# Altium PCB iWatch-v2.0.PcbDoc
Units mm, origin at the board's own origin, x right, y up, seen from the top; angles counter-clockwise.
Board outline 34.2 x 25.5 mm, 4 copper layers (Top Layer, Gound Layer, Power Layer, Bottom Layer), stack 0.78 mm thick; 59 components, 56 nets, 299 pads, 113 vias.
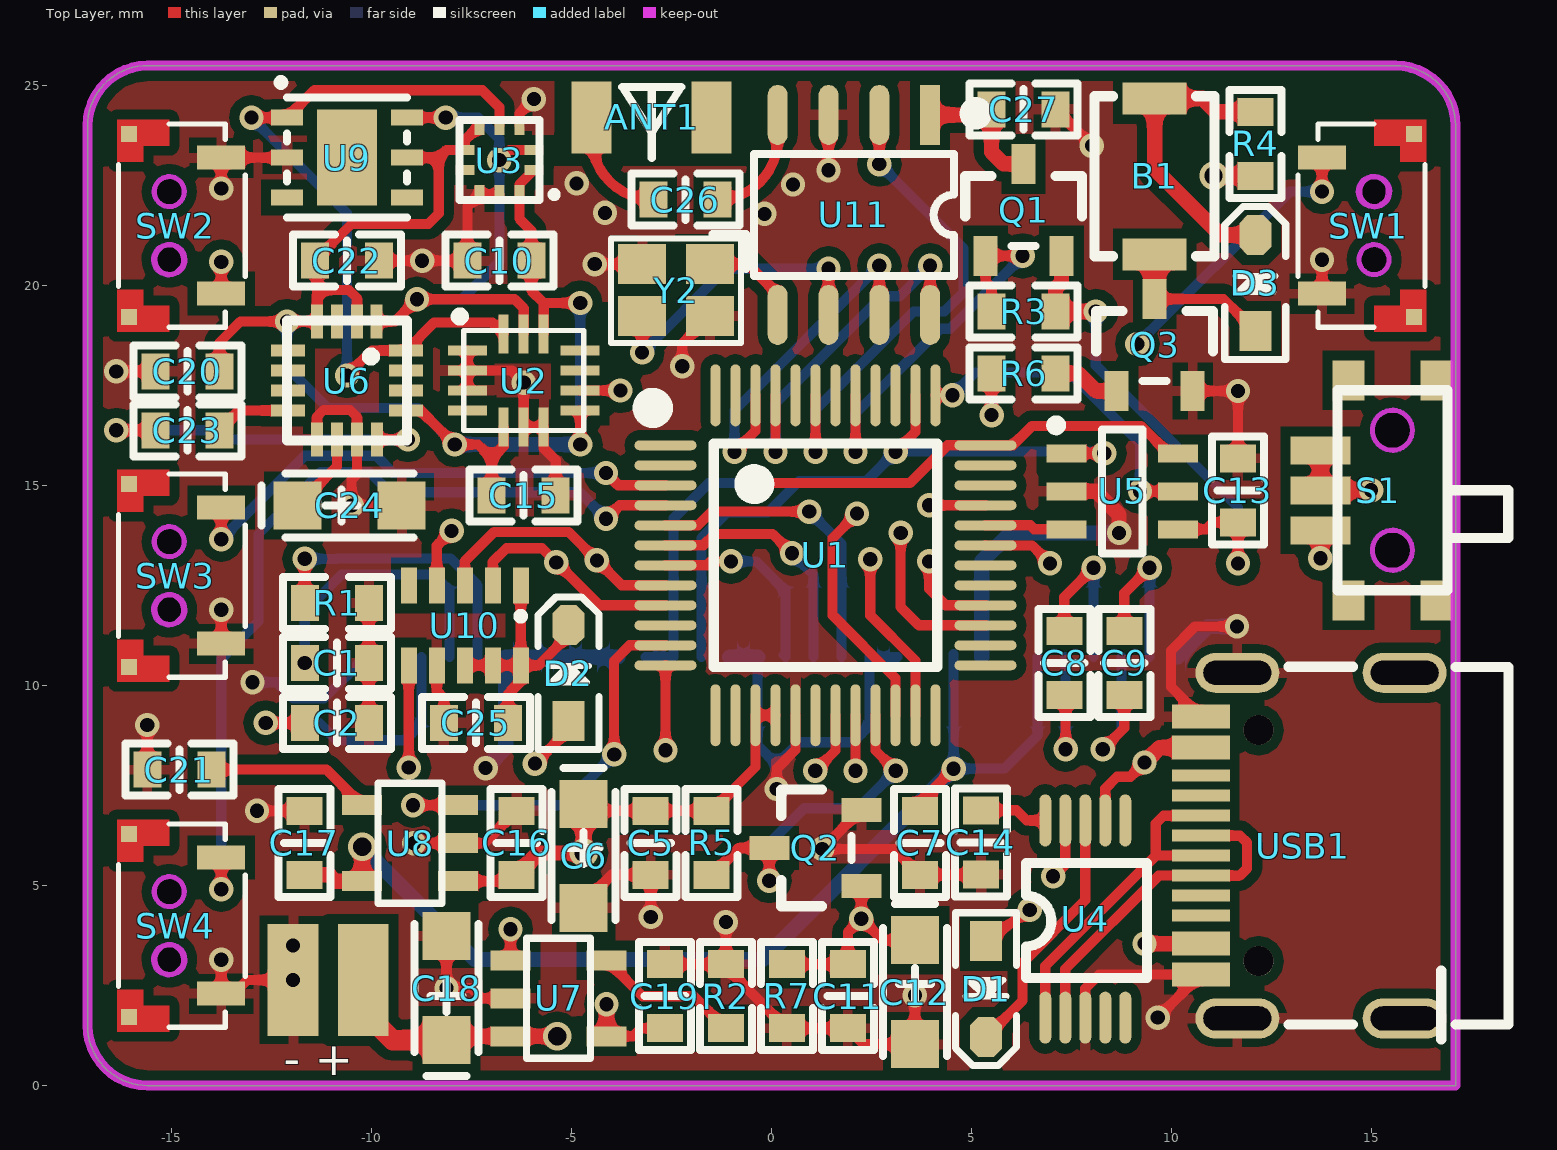
[diagram p0: Top Layer view]
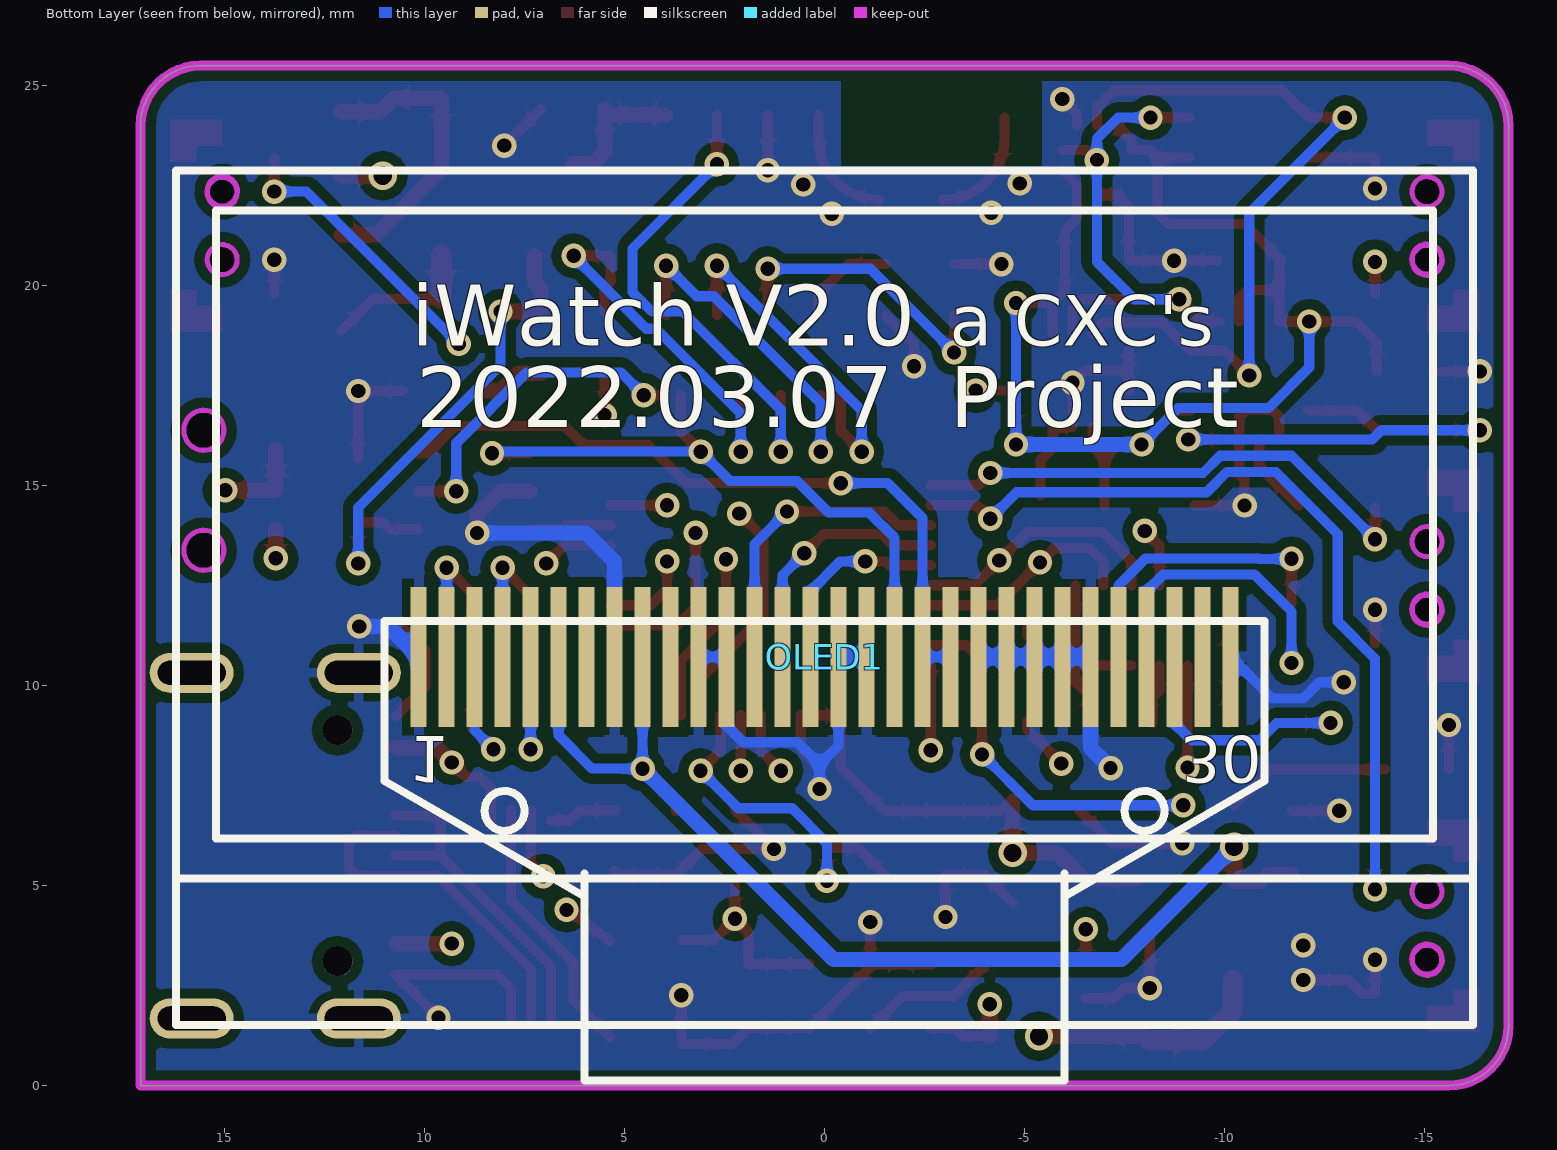
[diagram p1: Bottom Layer view, seen from below]
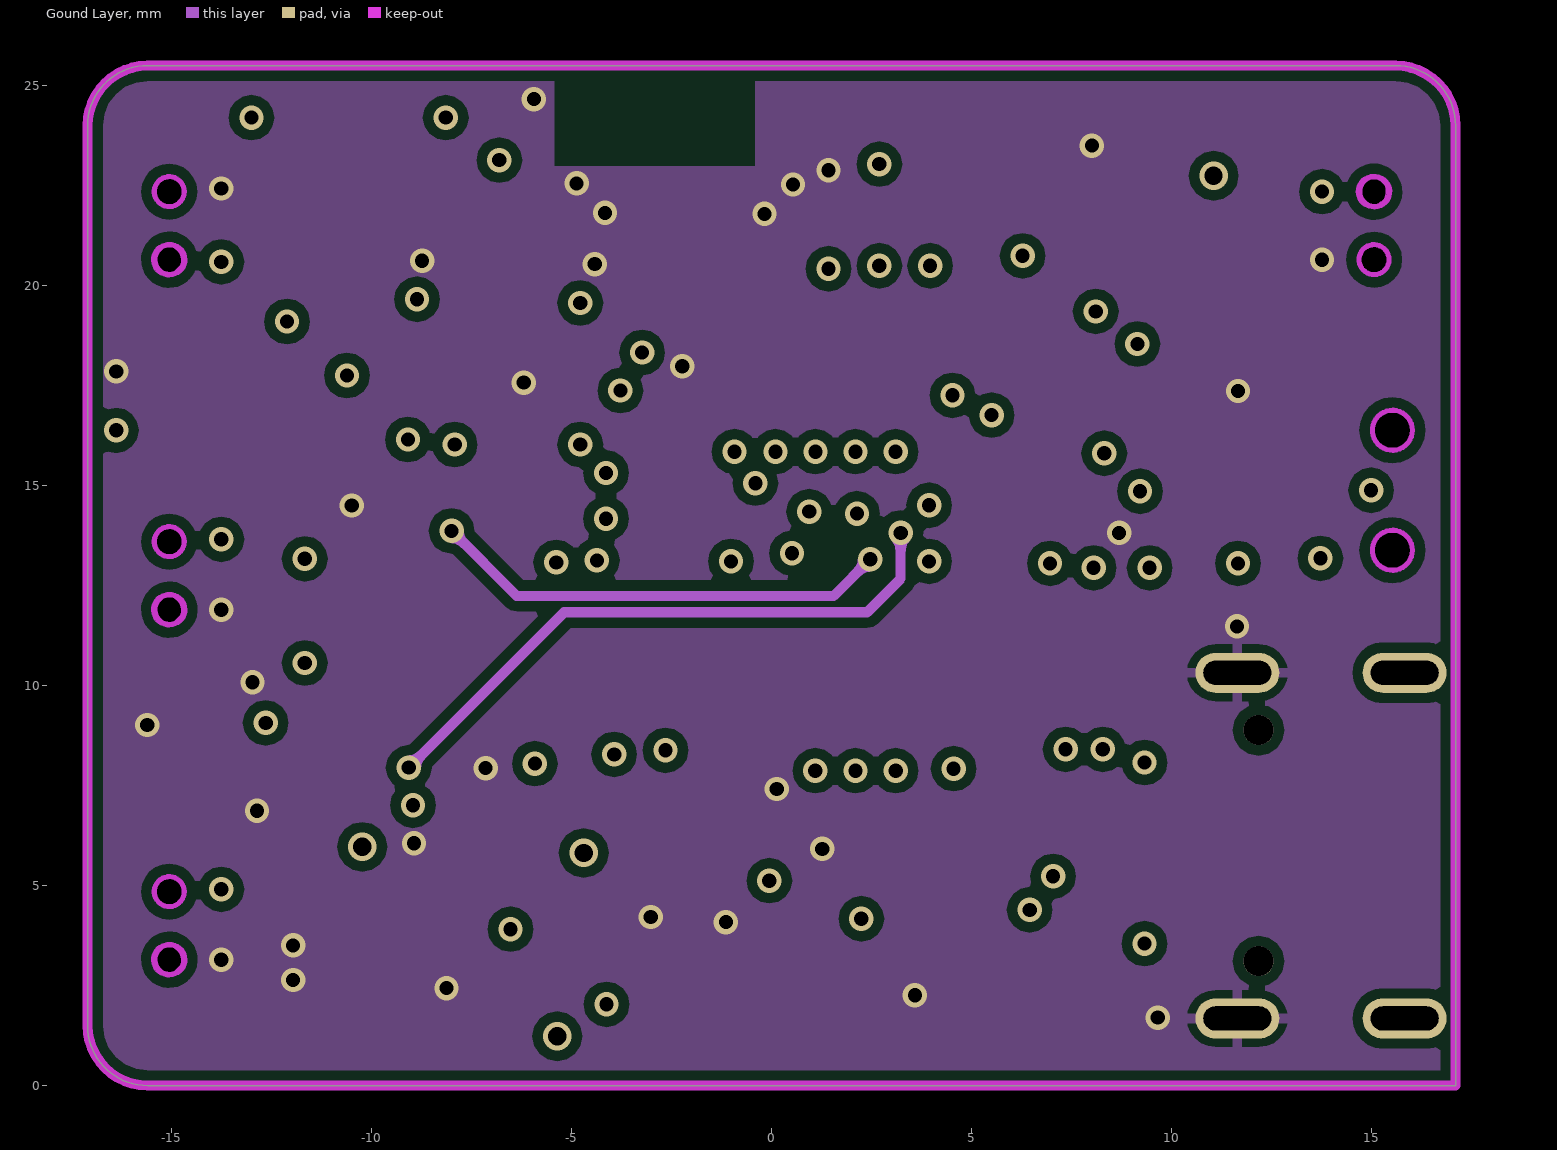
[diagram p2: Gound Layer]
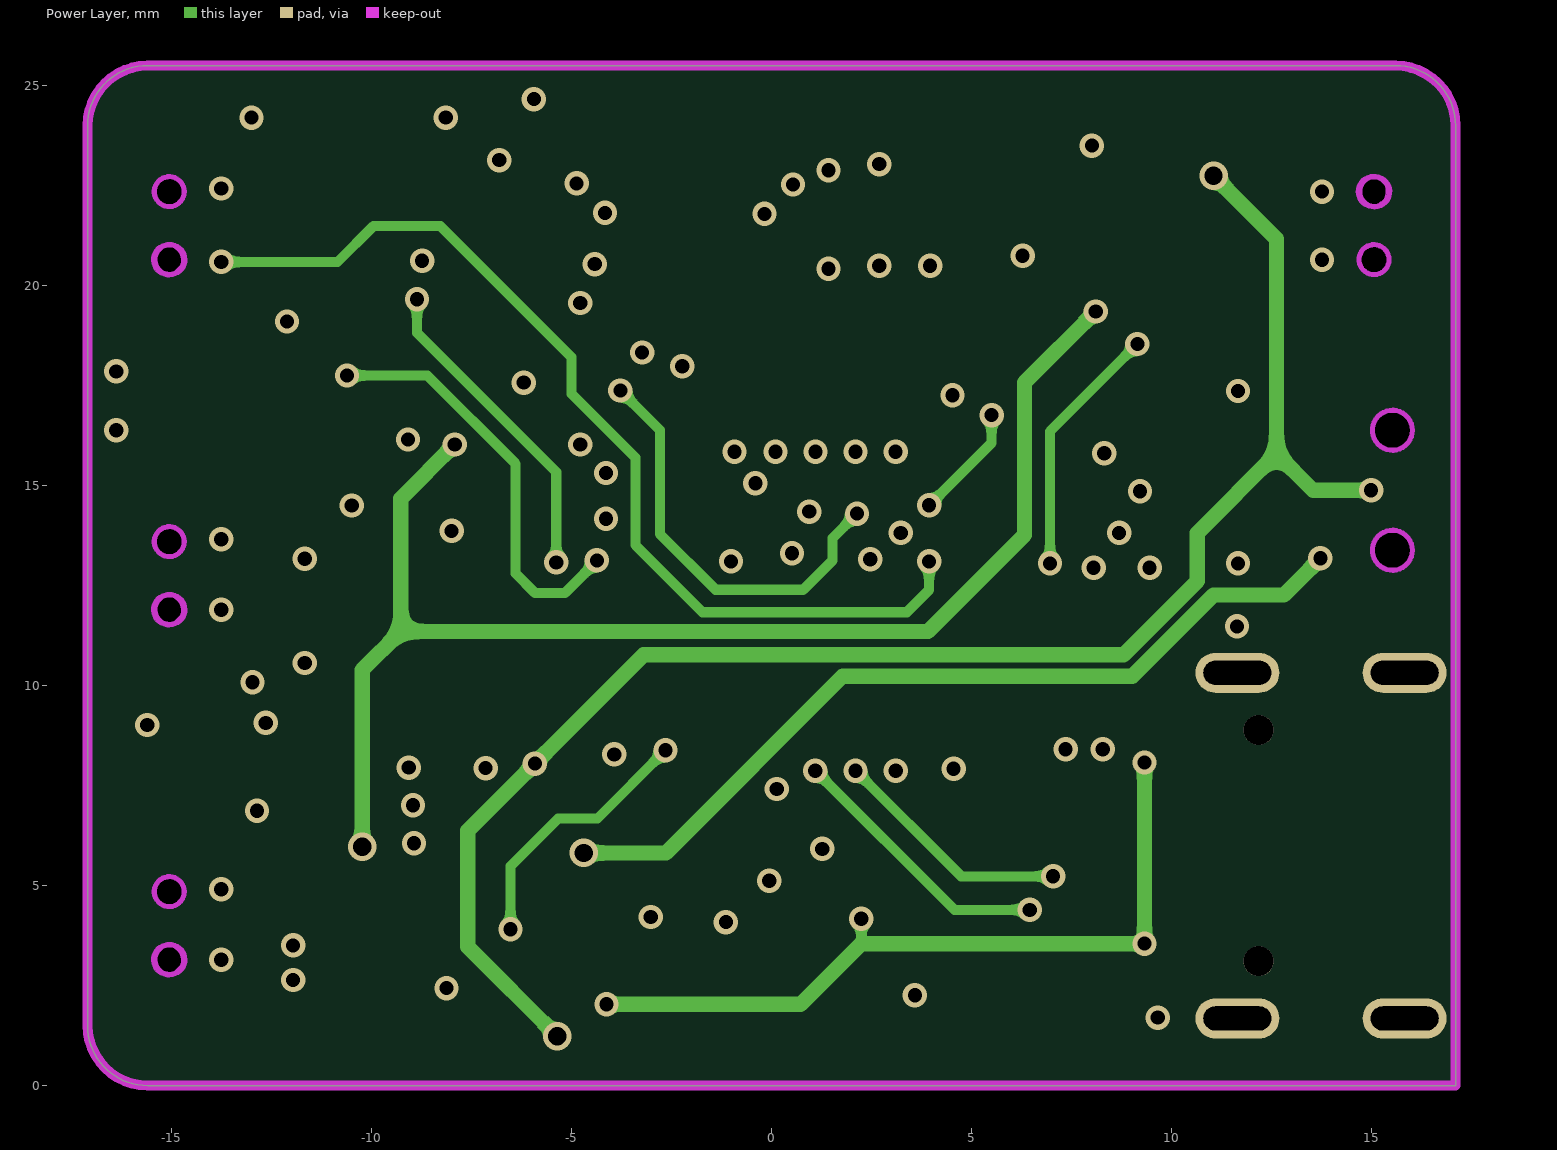
[diagram p3: Power Layer]
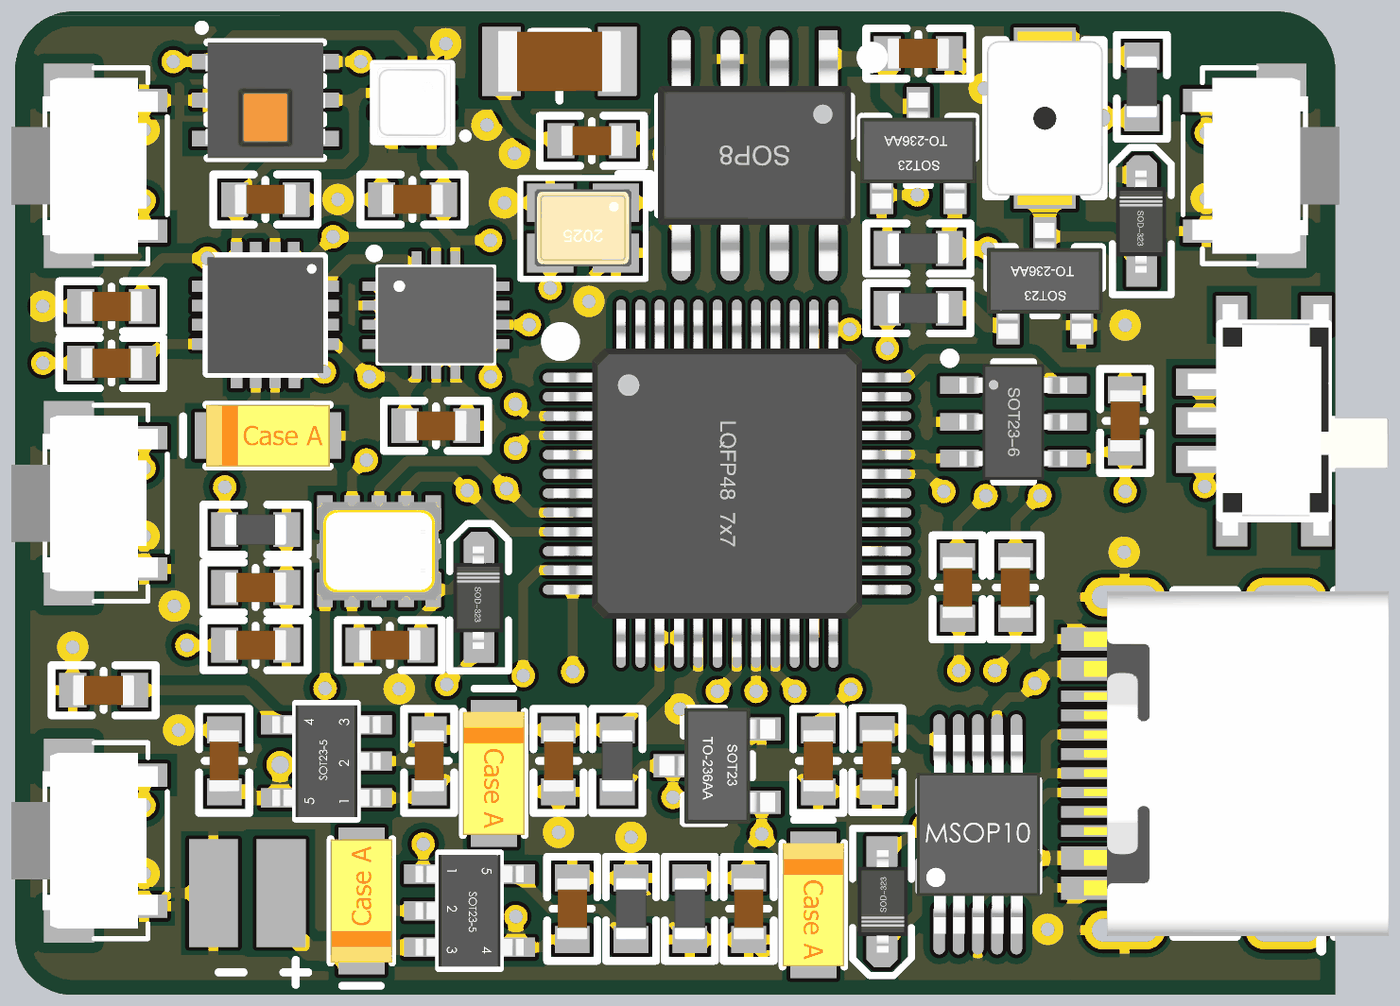
[diagram p4: 3D render of the assembled board from above, using the file's embedded part models]

## Layer stack, top to bottom
Top Solder: solder mask 0.0102, Solder Resist, Dk 3.5
Top Layer: signal copper 0.0356
Dielectric 1: core 0.225, FR-4, Dk 4.2
Gound Layer: signal copper 0.0168
Dielectric 3: prepreg 0.225, FR-4, Dk 4.2
Power Layer: signal copper 0.0168
Dielectric 2: core 0.225, FR-4, Dk 4.2
Bottom Layer: signal copper 0.0356
Bottom Solder: solder mask 0.0102, Solder Resist, Dk 3.5

## Board outline
-15.6,0 cw(c-15.6,1.5) -17.1,1.5 -17.1,24 cw(c-15.6,24) -15.6,25.5 15.6,25.5 cw(c15.6,24) 17.1,24 17.1,0

## Design rules (kind name [scope] priority, off if disabled: settings)
Clearance [OnLayer('Keep-Out Layer') vs B1] p1: gap=0.254 ignorepadtopadclearanceinfootprint=FALSE except(0: Arc-Hole Track-Hole SMDPad-Region SMDPad-Hole THPad-Region THPad-Hole Via-Hole Fill-Hole Poly-Hole Region-Hole Text-Hole; 0.178: SMDPad-SMDPad THPad-THPad; 1.27: Track-SMDPad)
Clearance Clearance_1 [All] p2: gap=0.254 ignorepadtopadclearanceinfootprint=FALSE except(0: Arc-Hole Track-Hole SMDPad-Region SMDPad-Hole THPad-Region THPad-Hole Via-Hole Fill-Hole Poly-Hole Region-Hole Text-Hole; 0.152: Track-Track Track-SMDPad SMDPad-SMDPad SMDPad-THPad SMDPad-Via THPad-THPad; 0.203: Track-Via Via-Region)
ComponentClearance [All] p1 off: gap=0.254 collisioncheckmode=3 verticalgap=0.254 showdistances=FALSE
PolygonConnect [IsVia] p1: connectstyle=Direct reliefconductorwidth=0.254 reliefentries=4 polygonreliefangle="90 Angle" airgapwidth=0.254
PolygonConnect PolygonConnect_1 [All] p2: connectstyle=Relief reliefconductorwidth=0.254 reliefentries=4 polygonreliefangle="90 Angle" airgapwidth=0.203
RoutingVias [All] p1: holewidth=0.356 width=0.61 viastyle="Through Hole" minholewidth=0.305 minwidth=0.508 maxholewidth=1.27 maxwidth=2.54
SolderMaskExpansion [All] p1: expansion=0.102 istentingtop=FALSE
Width Width_1 [All] p1 off: maxlimit=0.508 minlimit=0.152 preferedwidth=0.203
Width [All] p2: maxlimit=0.762 minlimit=0.203 preferedwidth=0.254
29 further rules are at their usual default settings.

## Components (designator, comment, footprint, x,y, rotation, side; value= is the part's Value field where it differs from the comment)
ANT1 "ANT" 2.4GANT-3216 -2.997,24.206 r0 top
B1 "Buzzer" SMD402 9.576,22.733 r270 top
C1 "10uF" C-0603-M -10.871,10.566 r0 top
C2 "0.1uF" C-0603-M -10.871,9.068 r0 top
C5 "0.1uF" C-0603-M -3.023,6.071 r90 top
C6 "10uF" C-钽电容-3216-N -4.699,5.744 r90 top
C7 "10uF" C-0603-M 3.708,6.071 r270 top
C8 "1uF" C-0603-M 7.317,10.566 r90 top
C9 "1uF" C-0603-M 8.816,10.566 r90 top
C10 "0.1uF" C-0603-M -6.807,20.625 r180 top
C11 "0.1uF" C-0603-M 1.905,2.235 r90 top
C12 "10uF" C-钽电容-3216-N 3.581,2.337 r90 top
C13 "0.1uF" C-0603-M 11.659,14.884 r90 top
C14 "0.1uF" C-0603-M 5.232,6.083 r270 top
C15 "0.1uF" C-0603-M -6.198,14.757 r0 top
C16 "1uF" C-0603-M -6.375,6.071 r90 top
C17 "1uF" C-0603-M -11.684,6.071 r90 top
C18 "10uF" C-钽电容-3216-N -8.128,2.438 r270 top
C19 "10uF" C-0603-M -2.667,2.235 r270 top
C20 "0.1uF" C-0603-M -14.605,17.856 r180 top
C21 "22nF" C-0603-M -14.808,7.899 r180 top
C22 "0.1uF" C-0603-M -10.617,20.625 r0 top
C23 "0.22uF" C-0603-M -14.605,16.383 r180 top
C24 "4.7uF" C-钽电容-3216-N -10.549,14.503 r180 top
C25 "10uF" C-0603-M -7.391,9.068 r180 top
C26 "2.7pF" C-0603-M -2.159,22.149 r0 top
C27 "0.1uF" C-0603-M 6.299,24.409 r0 top
D1 "1N4148" SOD-323 5.359,2.413 r270 top
D2 "1N4148" SOD-323 -5.08,10.312 r90 top
D3 "1N4148" SOD-323 12.09,20.066 r90 top
OLED1 "1.3\"-128*64" "OLED-1.3-90 - duplicate" 0,14.028 r180 bottom
Q1 "PMOS" SOT-23 6.299,21.895 r270 top
Q2 "NMOS" SOT-23 1.092,5.944 r0 top
Q3 "NPN" SOT-23 9.576,18.517 r270 top
R1 "560k" R-0603-M -10.871,12.065 r180 top
R2 "2k" R-0603-M -1.143,2.235 r270 top
R3 "10k" R-0603-M 6.299,19.355 r180 top
R4 "22R" R-0603-M 12.09,23.546 r270 top
R5 "10k" R-0603-M -1.499,6.071 r90 top
R6 "1k" R-0603-M 6.299,17.805 r180 top
R7 "10k" R-0603-M 0.381,2.235 r90 top
S1 "SS-12F23" MK-12C02 15.519,14.884 r90 top
SW1 "Button" "TSW SMD-2*4*3.5" 15.06,21.5 r270 top
SW2 "Button" "TSW SMD-2*4*3.5" -15.06,21.5 r90 top
SW3 "Button" "TSW SMD-2*4*3.5" -15.06,12.75 r90 top
SW4 "Button" "TSW SMD-2*4*3.5" -15.06,4 r90 top
U1 "STC32G12K128" "LQFP48 7X7_L" 1.346,13.259 r270 top
U2 "LSM6DSM" LGA-14L -6.198,17.628 r0 top
U3 "BMP390" "LGA-10 FOR BMP390" -6.807,23.139 r270 top
U4 "CH340E" MSOP10 6.841,1.702 r90 top
U5 "GT20L16S1Y" SOT23-6L 8.763,14.859 r270 top
U6 "QMC5883L" "QFN16 3X3" -10.617,17.628 r270 top
U7 "XT4054" SOT23-5 -6.528,3.134 r270 top
U8 "RT9193-33GB" SOT23-5 -7.836,5.11 r90 top
U9 "HDC1080" "DFN-6  for HDC1080" -10.617,23.2 r180 top
U10 "RX8130CE" RX8130CE -7.671,11.506 r180 top
U11 "KT6368A" SOP8_L 2.057,21.768 r270 top
USB1 "USB-C" USB-C-SMD_16P 15.824,6 r90 top
Y2 "XTAL_1" "OSC 2025-4P" -2.388,19.888 r180 top

## Footprints (in the part's own frame and the unit in brackets; to place one, negate y for a bottom-side part, rotate by r counter-clockwise, add the part's x,y. Pads: shape width x height; smd on the part's side, far side on the other; paste and mask are expansions set on the pad)
2.4GANT-3216 [mm] "2.4G板载陶瓷天线"
  rect 1x1.8 smd: 1(-1.5,0) 2(1.5,0)
  body extent -1.6,-0.8 1.6,0.8, height 0.95
C-0603-M [mm]
  rect 0.7x0.9 smd: 1(-0.8,0) 2(0.8,0)
  silkscreen extent -1.35,-0.65 1.35,0.65, body extent -0.8,-0.4 0.8,0.4, height 0.6
C-钽电容-3216-N [mm]
  rect 1.2x1.2 smd: 1(1.3,0) 2(-1.3,0)
  silkscreen extent -1.6,-0.8 2.2,0.8, body extent -1.6,-0.8 1.6,0.8, height 1.61
"DFN-6  for HDC1080" [mm] "DFN-6  for HDC1080"
  rect 1.5x2.4 smd: 0(0,0)
  rect 0.8x0.4 smd: 1(1.5,-1) 2(1.5,0) 3(1.5,1) 4(-1.5,1) 5(-1.5,0) 6(-1.5,-1)
  silkscreen extent -1.5,-1.94 1.71,1.5, body extent -1.55,-1.5 1.55,1.5, height 0.8
"LGA-10 FOR BMP390" [mm]
  rect 0.25x0.475 smd: 1(0.25,0.863) 2(-0.25,0.863) 6(-0.25,-0.863) 7(0.25,-0.863)
  rect 0.475x0.25 smd: 3(-0.863,0.5) 4(-0.863,0) 5(-0.863,-0.5) 8(0.863,-0.5) 9(0.863,0) 10(0.863,0.5)
  silkscreen extent -1,-1 1,1.41, body extent -1,-1.01 1,0.99, height 0.75
LGA-14L [mm] "2.5mm x 3.0mm x 0.86mm"
  rect 0.975x0.25 smd: 1(-1.412,0.75) 2(-1.412,0.25) 3(-1.412,-0.25) 4(-1.412,-0.75) 8(1.412,-0.75) 9(1.412,-0.25) 10(1.412,0.25) 11(1.412,0.75)
  rect 0.25x0.975 smd: 5(-0.5,-1.163) 6(0,-1.163) 7(0.5,-1.163) 12(0.5,1.163) 13(0,1.163) 14(-0.5,1.163)
  silkscreen extent -1.7,-1.25 1.5,1.7, body extent -1.5,-1.25 1.5,1.25, height 0.91
"LQFP48 7X7_L" [mm] "48脚，体宽7x7mm，脚距0.5mm"
  oval 0.25x1.55 smd: 1(-2.75,-4) 2(-2.25,-4) 3(-1.75,-4) 4(-1.25,-4) 5(-0.75,-4) 6(-0.25,-4) 7(0.25,-4) 8(0.75,-4) 9(1.25,-4) 10(1.75,-4) 11(2.25,-4) 12(2.75,-4) 25(2.75,4) 26(2.25,4) 27(1.75,4) 28(1.25,4) 29(0.75,4) 30(0.25,4) 31(-0.25,4) 32(-0.75,4) 33(-1.25,4) 34(-1.75,4) 35(-2.25,4) 36(-2.75,4)
  oval 1.55x0.25 smd: 13(4,-2.75) 14(4,-2.25) 15(4,-1.75) 16(4,-1.25) 17(4,-0.75) 18(4,-0.25) 19(4,0.25) 20(4,0.75) 21(4,1.25) 22(4,1.75) 23(4,2.25) 24(4,2.75) 37(-4,2.75) 38(-4,2.25) 39(-4,1.75) 40(-4,1.25) 41(-4,0.75) 42(-4,0.25) 43(-4,-0.25) 44(-4,-0.75) 45(-4,-1.25) 46(-4,-1.75) 47(-4,-2.25) 48(-4,-2.75)
  silkscreen extent -3.93,-4.57 2.79,2.79, body extent -4.5,-4.5 4.5,4.5, height 1.45
MK-12C02 [mm] "七脚小拨动开关"
  rect 1x0.8 smd: 0(-2.75,-1.1) 0(-2.75,1.1) 0(2.75,-1.1) 0(2.75,1.1)
  rect 0.7x1.5 smd: 1(1,1.8) 2(0,1.8) 3(-1,1.8)
  Keep-Out Layer board cut-out: 1,0 1.038,-0.191 1.146,-0.354 1.309,-0.462 1.5,-0.5 1.5,-0.5 1.691,-0.462 1.854,-0.354 1.962,-0.191 2,0 2,0 1.962,0.191 1.854,0.354 1.691,0.462 1.5,0.5 1.5,0.5 1.309,0.462 1.146,0.354 1.038,0.191 1,0